# Allegro board 1155001-Timing_board_V3_20241024_1805_pcb.brd (continued)
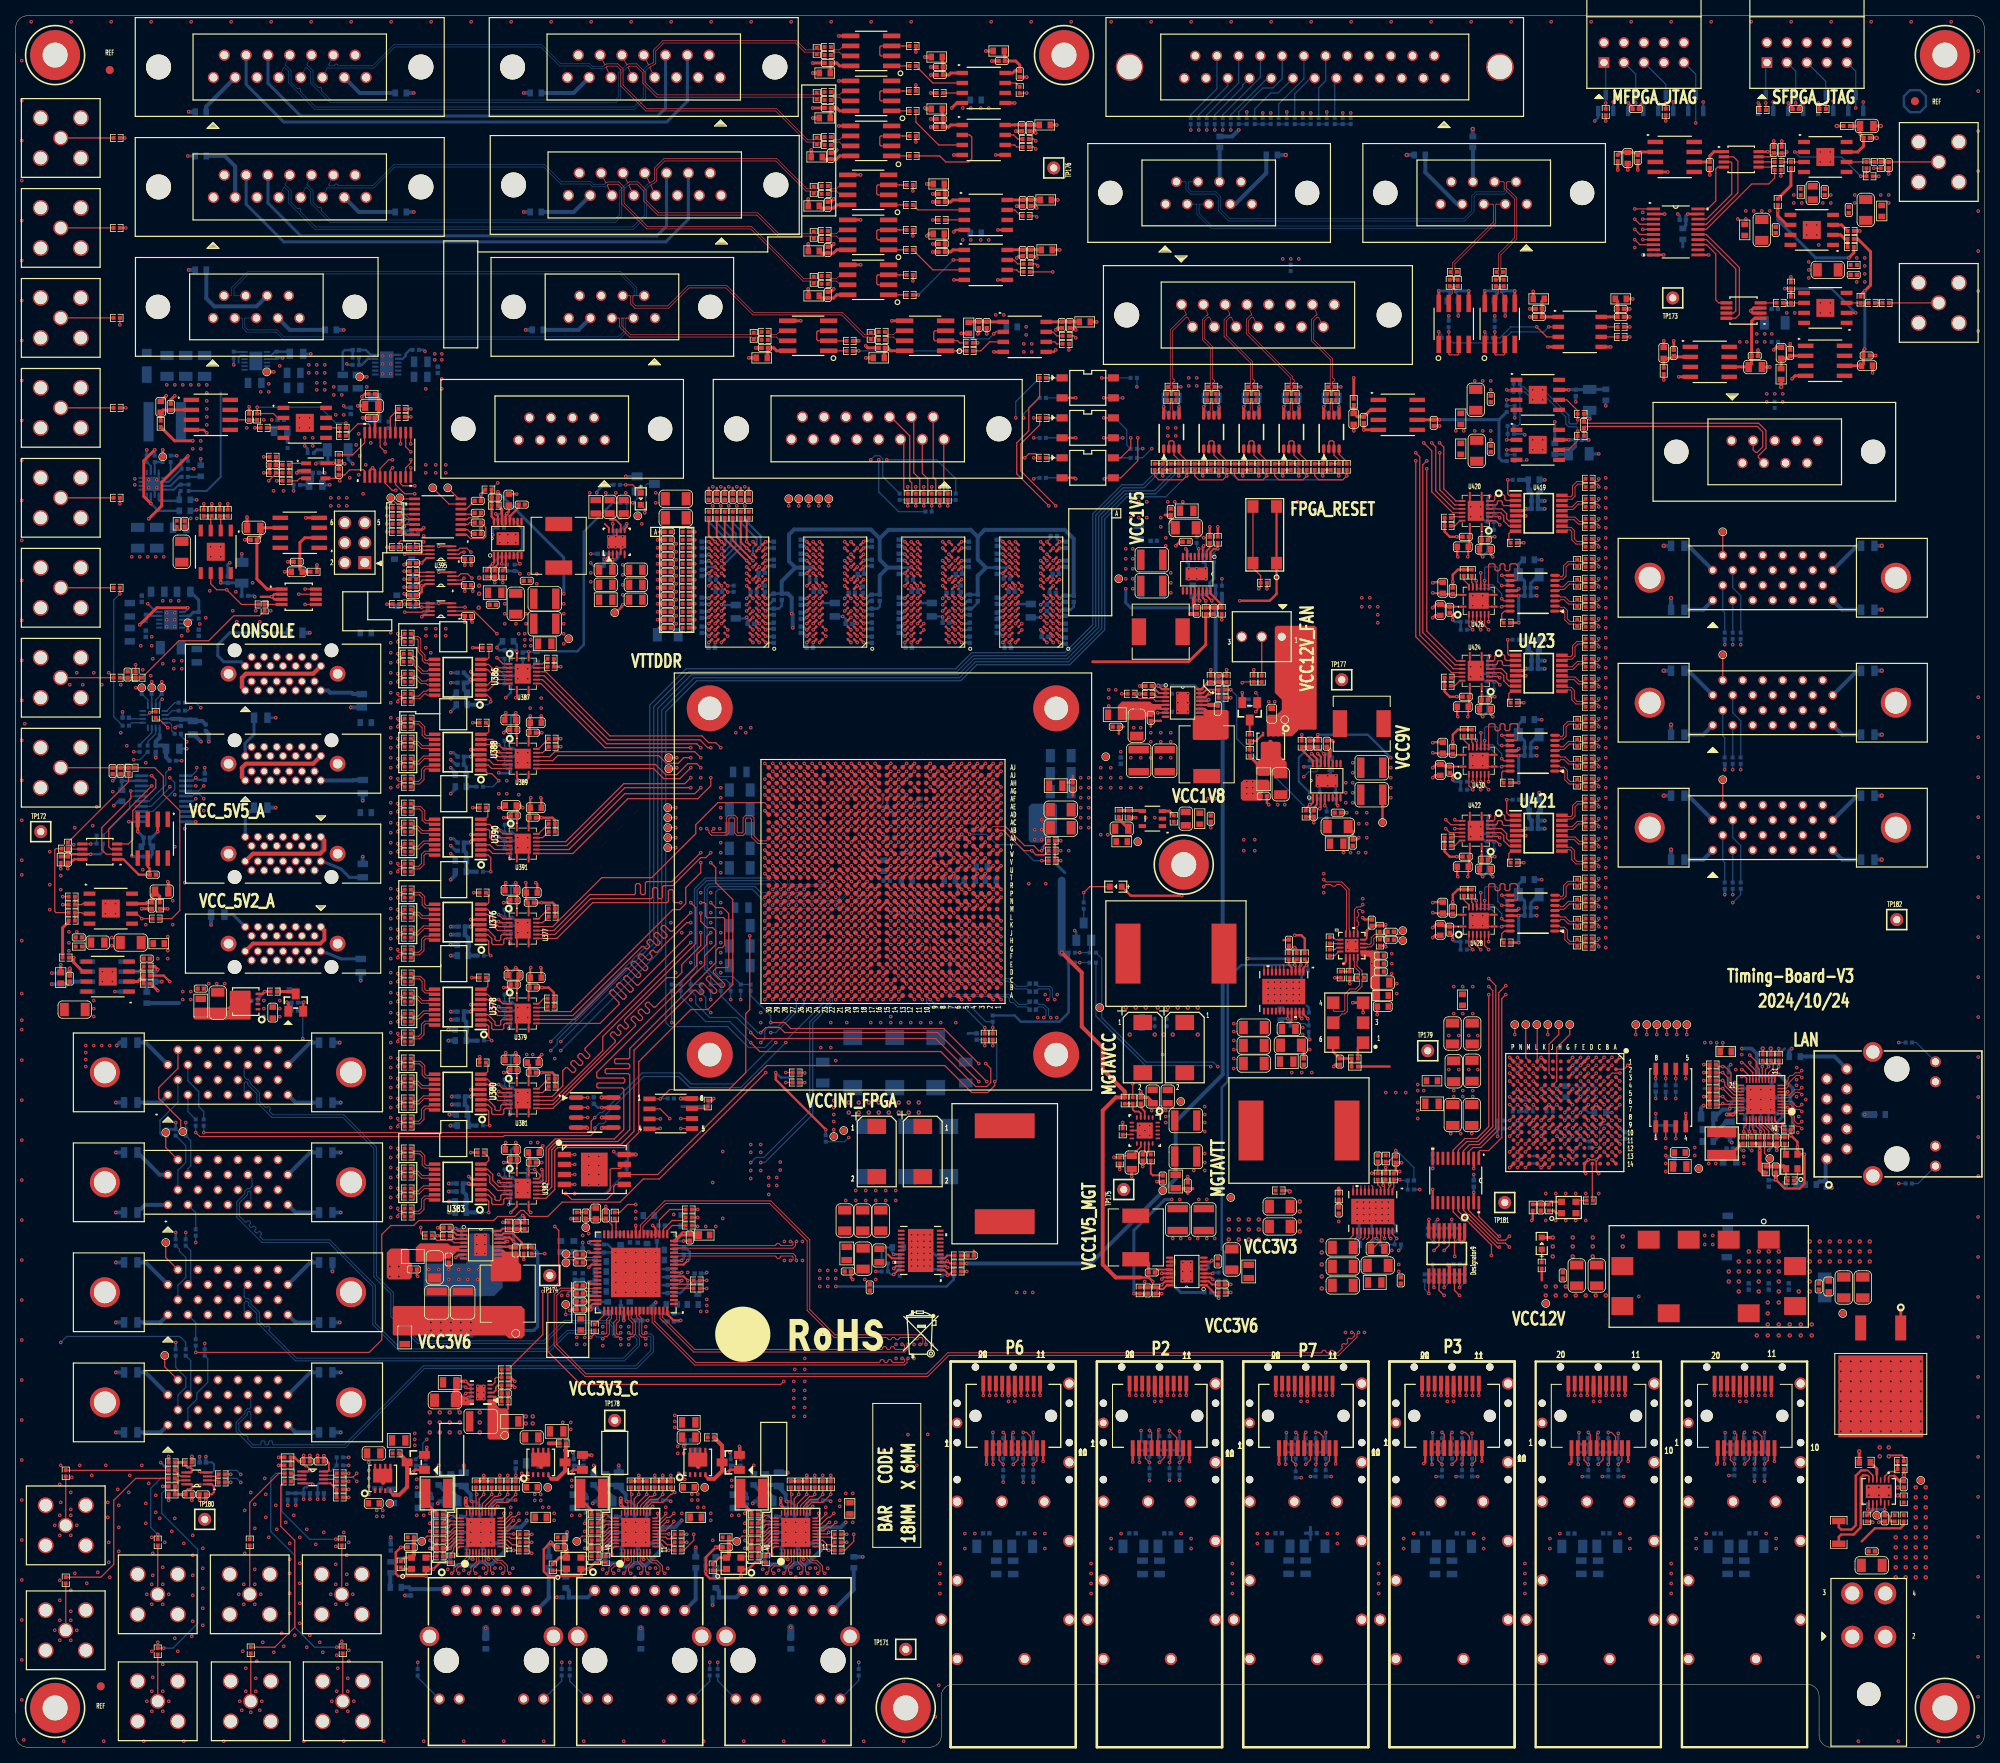
[diagram p0: board, top side]
## Routing (per net, layer and track width the routed paths; a pad name or vN(x,y) marks a point on that pad's centre or on a via; arc(x,y) is an arc through that point) (continued)
BPSR_DATA1_P_H: length 5.3
  TOP w0.157: U389.4 61.34,125.85 60.83,126.36 60.83,127.76 60.54,128.05 U388.7
BPSR_DATA2_N: length 88.9
  TOP w0.122: U247.AC25 v1(101.14,117)
  ART10 w0.099: 100.54,125.5 100.54,125.52 100.47,125.59 100.47,125.88 100.37,125.98 95.25,125.98 91.7,122.43 85.58,122.43 84.47,121.32 73.68,121.32 65.76,113.41 56.77,113.41 53.59,110.24 42.29,110.24 40.64,108.58 36.33,108.58 36.22,108.48 35.93,108.48 35.82,108.58 35.54,108.58 35.43,108.48 35.14,108.48 35.03,108.58 34.74,108.58 34.63,108.48 34.35,108.48 34.24,108.58 33.4,108.58 32,109.98 32,110.95 J80.23
  ART10 w0.102: v1(101.14,117) 101.43,117 101.54,117.1 101.54,120.28 101.41,120.4 100.75,120.4 100.54,120.61 100.54,125.5
BPSR_DATA2_P: length 91.9
  TOP w0.157: U247.AB24 v1(102.14,117)
  ART10 w0.099: J80.10 31.55,112.38 32.35,111.59 32.35,110.12 33.54,108.93 40.5,108.93 42.15,110.58 53.45,110.58 56.63,113.75 65.62,113.75 73.53,121.67 84.33,121.67 85.44,122.78 91.56,122.78 95.11,126.33 100.51,126.33 100.81,126.03 100.81,125.59 100.74,125.52 100.74,125.5
  ART10 w0.102: 100.74,125.5 100.74,120.7 100.84,120.6 101.5,120.6 101.74,120.36 101.74,117.1 101.84,117 v1(102.14,117)
BPSR_DATA3_N: length 92
  TOP w0.122: U247.AD22 v1(104.14,119)
  ART10 w0.099: 101.54,125.5 101.54,125.52 101.47,125.59 101.47,126.37 100.8,127.04 94.91,127.04 91.57,123.7 74.17,123.7 67.56,117.09 53.11,117.09 52.66,116.64 52.66,114.46 52.36,114.16 51.68,114.16 51.38,114.46 51.38,115.34 51.28,115.44 50.89,115.44 50.79,115.34 50.79,114.46 50.49,114.16 49.81,114.16 49.51,114.46 49.51,115.34 49.41,115.44 40.62,115.44 38.5,113.32 33.4,113.32 33.15,113.07 J80.21
  ART10 w0.102: 101.54,125.5 101.54,124.37 103.51,122.4 104.41,122.4 104.54,122.28 104.54,118.7 104.43,118.6 104.24,118.6 104.14,118.7 v1(104.14,119)
BPSR_DATA3_P: length 93.6
  TOP w0.122: U247.AC22 v1(104.14,118)
  ART10 w0.099: J80.8 33.15,113.92 33.4,113.67 38.35,113.67 40.47,115.79 41.55,115.79 41.65,115.88 41.65,116.03 41.75,116.13 41.95,116.13 42.04,116.03 42.04,115.88 42.14,115.79 42.34,115.79 42.44,115.88 42.44,116.03 42.54,116.13 42.74,116.13 42.84,116.03 42.84,115.88 42.94,115.79 43.13,115.79 43.23,115.88 43.23,116.03 43.33,116.13 43.53,116.13 43.63,116.03 43.63,115.88 43.73,115.79 43.93,115.79 44.03,115.88 44.03,116.03 44.13,116.13 44.32,116.13 44.42,116.03 44.42,115.88 44.52,115.79 49.55,115.79 49.85,115.49 49.85,114.6 49.95,114.5 50.34,114.5 50.44,114.6 50.44,115.49 50.74,115.79 51.42,115.79 51.72,115.49 51.72,114.6 51.82,114.5 52.22,114.5 52.32,114.6 52.32,116.79 52.97,117.44 67.42,117.44 74.03,124.04 91.42,124.04 94.76,127.38 100.94,127.38 101.81,126.51 101.81,125.59 101.74,125.52 101.74,125.5
  ART10 w0.102: v1(104.14,118) 104.14,118.3 104.24,118.4 104.52,118.4 104.74,118.62 104.74,122.36 104.5,122.6 103.59,122.6 101.74,124.46 101.74,125.5
CHAN2_N: length 14.4
  TOP w0.089: R3380.2 161.87,172.34 161.87,172.6 R3378.2 161.87,173.11 161.87,174.01 156.3,179.58 156.3,181.44 156.76,181.9 156.92,181.98 156.96,182.1 J127.4
CHAN2_P: length 14.4
  TOP w0.089: R3381.2 162.16,172.34 162.16,172.6 R3378.1 162.16,173.11 162.16,173.32 162.25,173.41 162.32,173.41 162.41,173.5 162.41,173.68 162.32,173.77 162.25,173.77 162.16,173.86 162.16,174.14 156.59,179.71 156.59,181.32 156.93,181.66 157.05,181.71 157.16,181.67 J127.12
CLOCK_N: length 12.7
  TOP w0.089: J127.1 148.65,182.1 148.61,181.98 148.61,181.98 148.45,181.9 146.63,180.08 146.63,173.11 R3370.2 146.63,172.6 146.63,172.34 R3373.2
CLOCK_P: length 12.7
  TOP w0.089: R3372.2 146.92,172.34 146.92,172.6 R3370.1 146.92,173.11 146.92,173.39 147.01,173.48 147.08,173.48 147.17,173.57 147.17,173.75 147.08,173.84 147.01,173.84 146.92,173.92 146.92,179.95 148.62,181.66 148.74,181.71 148.85,181.67 J127.9
DDR3_A_A0: length 114.5
  TOP w0.254: U247.AB9 v1(117.14,117) ; R460.2 90.04,153.55 v1(92.83,150.77) U77.N3 ; U78.N3 v1(105.27,150.77) ; U76.N3 v1(130.17,150.77) ; U75.N3 v1(117.72,150.77)
  ART05 w0.102: v1(117.14,117) 117.18,117 117.58,117.4 120.27,117.4 120.62,117.75 120.62,118.16 120.93,118.47 125.64,118.47 ; 133.35,151.51 131.58,151.51 131.24,151.17 130.57,151.17 v1(130.17,150.77) 129.77,151.17 118.12,151.17 v1(117.72,150.77) 117.32,151.17 105.67,151.17 v1(105.27,150.77) 104.87,151.17 93.23,151.17 v1(92.83,150.77)
  ART05 w0.183: 133.35,151.51 134.14,151.51 137.12,148.52 137.12,138.79 133.96,135.62 130.78,135.62 128.62,133.45 128.62,126.9 128.44,126.72 127.91,126.72 127.72,126.53 127.72,126.17 127.91,125.99 128.84,125.99 129.02,125.8 129.02,125.44 128.84,125.25 127.47,125.25 127.28,125.07 127.28,124.71 127.47,124.52 128.84,124.52 129.02,124.34 129.02,123.97 128.84,123.79 127.47,123.79 127.28,123.61 127.28,123.24 127.47,123.06 128.84,123.06 129.02,122.88 129.02,122.51 128.84,122.33 127.47,122.33 127.28,122.15 127.28,121.78 127.47,121.6 128.84,121.6 129.02,121.41 129.02,121.03 128.37,120.38 128.09,120.38 128,120.47 127.74,120.47 127.49,120.21 127.49,119.95 127.59,119.85 127.59,119.59 126.46,118.47 125.64,118.47
DDR3_A_A1: length 115.1
  TOP w0.254: U75.P7 v1(114.52,151.57) ; U247.AA11 v1(115.14,116) ; U77.P7 v1(89.63,151.57) ; U78.P7 v1(102.07,151.57) ; U76.P7 v1(126.97,151.57)
  ART08 w0.102: v1(89.63,151.57) 90.03,151.97 101.62,151.97 102.02,151.57 v1(102.07,151.57) 102.47,151.97 114.12,151.97 v1(114.52,151.57) 114.92,151.97 126.36,151.97 126.76,151.57 v1(126.97,151.57) 130.12,151.57 130.52,151.17 131.28,151.17 131.47,151.36 131.72,151.36 ; 125.52,118.79 125.13,118.4 115.95,118.4 115.74,118.19 115.74,116.9 115.14,116.3 v1(115.14,116)
  ART08 w0.183: 125.52,118.79 125.82,119.09 125.82,122.41 125.64,122.6 124.86,122.6 124.67,122.78 124.67,123.15 124.86,123.33 125.64,123.33 125.82,123.51 125.82,125.63 125.64,125.81 122.49,125.81 122.31,125.99 122.31,126.36 122.49,126.54 125.4,126.54 125.88,127.02 125.88,135.21 128.27,137.6 128.58,137.6 128.93,137.95 128.93,138.26 129.21,138.54 129.47,138.54 129.97,138.05 130.23,138.05 130.49,138.31 130.49,138.56 129.99,139.06 129.99,139.32 130.26,139.59 131,139.59 131.19,139.41 131.19,138.9 131.37,138.72 131.74,138.72 131.92,138.9 131.92,139.41 132.1,139.59 133.1,139.59 133.57,140.06 133.57,150.51 132.72,151.36 131.72,151.36
  BOTTOM w0.254: v1(89.63,151.57) 90.81,152.75 90.81,153.8 89.03,155.57 R461.2
DDR3_A_A2: length 111.3
  TOP w0.254: U76.P3 v1(130.97,150.77) ; v1(93.63,150.77) U77.P3 91.06,153.34 R462.2 ; U75.P3 v1(118.52,150.77) ; U78.P3 v1(106.07,150.77) ; U247.AC10 v1(116.14,118)
  ART03 w0.102: v1(130.97,150.77) U76.P3 118.92,151.17 v1(118.52,150.77) U75.P3 106.47,151.17 v1(106.07,150.77) U78.P3 94.03,151.17 v1(93.63,150.77)
  ART05 w0.102: 125.58,119.46 119.89,119.46 119.54,119.1 119.54,117.83 119.3,117.6 116.54,117.6 v1(116.14,118) ; v1(130.97,150.77) 131.2,150.77 131.6,151.17 132.73,151.17 133.04,150.86 133.3,150.86
  ART05 w0.183: 125.58,119.46 126.31,119.46 126.8,119.94 126.8,125.89 125.97,126.71 125.97,127.1 126.21,127.34 127.77,127.34 127.96,127.52 127.96,127.89 127.77,128.07 125.8,128.07 125.61,128.25 125.61,128.61 125.8,128.79 127.88,128.79 128.07,128.98 128.07,129.34 127.88,129.52 125.91,129.52 125.73,129.71 125.73,130.07 125.91,130.26 127.94,130.26 128.13,130.45 128.13,133.66 130.58,136.1 133.75,136.1 136.64,138.99 136.64,148.32 134.1,150.86 133.3,150.86
DDR3_A_A3: length 116.5
  TOP w0.254: U76.N2 v1(130.97,149.97) ; U75.N2 v1(118.52,149.97) ; U247.AC9 v1(117.14,118) ; R463.2 v1(86.23,149.35) ; U78.N2 v1(106.07,149.97) ; U77.N2 v1(93.63,149.97)
  ART03 w0.102: v1(93.63,149.97) U77.N2 105.67,150.37 v1(106.07,149.97) U78.N2 118.12,150.37 v1(118.52,149.97) U75.N2 130.57,150.37 v1(130.97,149.97)
  ART05 w0.102: 125.64,120.52 119.02,120.52 118.74,120.24 118.74,118.7 118.44,118.4 117.54,118.4 v1(117.14,118) ; v1(130.97,149.97) 131.37,150.37 133.55,150.37
  ART05 w0.183: 125.64,120.52 126.31,121.19 126.31,125.69 125.13,126.87 125.13,130.82 125.31,131.01 127.45,131.01 127.65,131.21 127.65,131.56 127.46,131.74 125.31,131.74 125.13,131.92 125.13,132.29 125.31,132.47 127.45,132.47 127.65,132.67 127.65,133.02 127.46,133.2 125.31,133.2 125.13,133.39 125.13,133.75 125.31,133.93 127.45,133.93 127.65,134.13 127.65,134.44 127.45,134.63 125.93,134.63 125.74,134.82 125.74,135.07 125.95,135.28 129.07,135.28 130.38,136.59 133.55,136.59 136.15,139.19 136.15,148.12 133.9,150.37 133.55,150.37
  ART10 w0.102: v1(93.63,149.97) 93.23,149.57 92.16,149.57 91.31,148.72 86.87,148.72 v1(86.23,149.35)
DDR3_A_A4: length 111.4
  TOP w0.254: U247.AB12 v1(114.14,117) ; U76.P8 v1(126.17,151.57) ; U77.P8 v1(88.83,151.57) ; R464.2 v1(86.23,153.42) ; U75.P8 v1(113.72,151.57) ; U78.P8 v1(101.27,151.57)
  ART08 w0.102: v1(86.23,153.42) 87.68,151.97 88.43,151.97 v1(88.83,151.57) ; v1(114.14,117) 114.61,117.47 115.29,117.47 115.54,117.72 115.54,118.27 115.87,118.6 121.4,118.6 121.67,118.87 121.67,125.5 ; v1(126.17,151.57) 126.35,151.57 126.75,151.17 129.07,151.17 129.87,150.37 132.77,150.37 133.02,150.11
  ART08 w0.183: 133.02,150.11 133.02,140.2 132.75,139.93 129.91,139.93 125.33,135.36 125.33,130.14 125.15,129.95 122.89,129.95 122.71,129.77 122.71,129.41 122.89,129.22 125.15,129.22 125.33,129.04 125.33,128.67 125.14,128.48 122.53,128.48 122.34,128.3 122.34,127.93 122.53,127.75 125.15,127.75 125.33,127.57 125.33,127.21 125.15,127.03 121.85,127.03 121.67,126.85 121.67,125.5
  ART10 w0.102: v1(126.17,151.57) 125.77,151.17 U75.P8 114.12,151.17 v1(113.72,151.57) 113.32,151.17 U78.P8 v1(101.27,151.57) 100.87,151.97 89.23,151.97 v1(88.83,151.57)
DDR3_A_A5: length 114.5
  TOP w0.254: U78.P2 v1(106.07,151.57) ; v1(114.14,116) U247.AA12 ; U77.P2 v1(93.63,151.57) ; U76.P2 v1(130.97,151.57) ; U75.P2 v1(118.52,151.57)
  ART05 w0.102: 133.22,152.04 133.1,151.92 131.31,151.92 v1(130.97,151.57) 130.57,151.97 118.92,151.97 v1(118.52,151.57) 118.12,151.97 106.47,151.97 v1(106.07,151.57) 105.67,151.97 94.03,151.97 v1(93.63,151.57) ; v1(114.14,116) 114.74,116.6 120.53,116.6 121.53,117.6 125.47,117.6 125.61,117.74 125.64,117.74
  ART05 w0.183: 125.64,117.74 126.43,117.74 129.51,120.83 129.51,122.47 129.69,122.65 130.38,122.65 130.56,122.83 130.56,123.2 130.38,123.38 129.69,123.38 129.51,123.57 129.51,123.93 129.69,124.11 130.45,124.11 130.63,124.3 130.63,124.66 130.45,124.85 129.69,124.85 129.51,125.03 129.51,125.39 129.69,125.58 130.45,125.58 130.63,125.76 130.63,126.13 130.45,126.31 129.69,126.31 129.51,126.49 129.51,126.86 129.69,127.04 130.45,127.04 130.63,127.22 130.63,127.59 130.45,127.77 129.69,127.77 129.51,127.95 129.51,128.32 129.69,128.5 130.13,128.5 130.31,128.69 130.31,129.05 130.13,129.23 129.4,129.23 129.11,129.53 129.11,133.25 130.99,135.13 134.16,135.13 137.61,138.58 137.61,148.73 134.3,152.04 133.22,152.04
  BOTTOM w0.254: v1(93.63,151.57) 93.63,152.43 94.1,152.91 94.1,153.55 92.08,155.57 R465.2
DDR3_A_A6: length 109.1
  TOP w0.254: U77.R8 v1(88.83,152.37) ; R466.2 v1(86.23,154.43) ; U76.R8 v1(126.17,152.37) ; U78.R8 v1(101.27,152.37) ; U247.AB10 v1(116.14,117) ; U75.R8 v1(113.72,152.37)
  ART08 w0.102: v1(126.17,152.37) 126.35,152.37 126.75,151.97 127.28,151.97 ; v1(86.23,154.43) 86.23,154.18 87.64,152.77 88.43,152.77 v1(88.83,152.37) ; v1(116.14,117) 116.14,117.28 116.46,117.6 125.37,117.6 125.45,117.68 125.48,117.68
  ART08 w0.183: 125.48,117.68 126.37,118.57 126.37,133.44 126.55,133.62 127.47,133.62 127.66,133.81 127.66,134.17 127.47,134.36 126.55,134.36 126.37,134.54 126.37,134.92 127.19,135.74 127.45,135.74 127.75,135.43 128.01,135.43 128.27,135.69 128.27,135.95 127.96,136.26 127.96,136.52 128.22,136.78 128.48,136.78 129.4,135.85 129.66,135.85 129.92,136.11 129.92,136.37 129.41,136.88 129.41,137.14 129.67,137.4 129.93,137.4 130.44,136.89 130.7,136.89 130.96,137.15 130.96,137.41 130.75,137.62 130.75,137.88 131,138.13 131.26,138.13 131.47,137.92 131.73,137.92 132.91,139.11 133.31,139.11 134.06,139.86 134.06,150.81 132.94,151.93 131.38,151.93 131.3,152.01 130.67,152.01 130.59,151.93 129.42,151.93 129.38,151.97 127.28,151.97
  ART10 w0.102: v1(88.83,152.37) 89.23,152.77 100.87,152.77 v1(101.27,152.37) U78.R8 113.32,151.97 v1(113.72,152.37) U75.R8 125.77,151.97 v1(126.17,152.37)
DDR3_A_A7: length 109.2
  TOP w0.254: U76.R2 v1(131.77,152.37) ; U77.R2 v1(94.43,152.37) ; U78.R2 v1(106.87,152.37) ; U247.AA8 v1(118.14,116) ; U75.R2 v1(119.32,152.37)
  ART03 w0.102: v1(131.77,152.37) U76.R2 119.72,151.97 v1(119.32,152.37) U75.R2 107.27,151.97 v1(106.87,152.37) U78.R2 94.83,151.97 v1(94.43,152.37)
  ART05 w0.102: v1(118.14,116) 118.54,116.4 120.61,116.4 121.61,117.4 125.47,117.4 125.61,117.26 125.64,117.26 ; v1(131.77,152.37) 132.17,152.77 133.01,152.77
  ART05 w0.183: 125.64,117.26 126.63,117.26 131.17,121.79 131.17,122.8 131.35,122.98 131.48,122.98 131.66,123.17 131.66,123.53 131.48,123.71 131.35,123.71 131.17,123.9 131.17,124.26 131.35,124.45 131.48,124.45 131.66,124.63 131.66,124.99 131.48,125.18 131.35,125.18 131.17,125.36 131.17,125.86 131.35,126.05 133.09,126.05 133.27,126.23 133.27,126.59 133.09,126.78 131.35,126.78 131.17,126.96 131.17,127.33 131.35,127.51 132.75,127.51 132.94,127.69 132.94,128.06 132.75,128.24 131.35,128.24 131.17,128.42 131.17,128.79 131.35,128.97 134.23,128.97 135.46,130.21 135.46,135.74 138.1,138.38 138.1,148.93 134.26,152.77 133.01,152.77
  BOTTOM w0.254: R467.2 93.09,155.45 94.61,153.92 94.61,152.56 v1(94.43,152.37)
DDR3_A_A8: length 112
  TOP w0.254: U78.T8 v1(101.27,153.17) ; U77.T8 v1(88.83,153.17) 88.01,153.99 R468.2 ; U76.T8 v1(126.17,153.17) ; U75.T8 v1(113.72,153.17) ; U247.Y11 v1(115.14,115)
  ART08 w0.102: 127.53,152.77 126.76,152.77 126.36,153.17 v1(126.17,153.17) ; v1(115.14,115) 115.41,115 115.54,115.13 115.54,116.29 115.85,116.6 124.6,116.6 124.71,116.71 125.89,116.71 126.11,116.93
  ART08 w0.183: 127.53,152.77 128.49,152.77 129.33,153.61 132.92,153.61 135.03,151.5 135.03,139.45 133.71,138.13 133.32,138.13 128.59,133.4 128.59,128.03 128.41,127.85 127.53,127.85 127.34,127.67 127.34,127.3 127.53,127.12 128.41,127.12 128.59,126.94 128.59,126.57 128.41,126.39 127.53,126.39 127.34,126.21 127.34,125.84 127.53,125.66 128.41,125.66 128.59,125.47 128.59,125.11 128.41,124.93 127.53,124.93 127.34,124.74 127.34,124.38 127.53,124.19 128.13,124.19 128.31,124.01 128.31,123.65 128.13,123.46 127.53,123.46 127.34,123.28 127.34,118.16 126.11,116.93
  ART10 w0.102: v1(88.83,153.17) 89.23,153.57 100.87,153.57 v1(101.27,153.17) U78.T8 113.32,152.77 v1(113.72,153.17) U75.T8 125.77,152.77 v1(126.17,153.17)
DDR3_A_A9: length 114.6
  TOP w0.254: U78.R3 v1(105.27,152.37) ; U77.R3 v1(92.83,152.37) 92.08,153.12 R469.2 ; U247.AA10 v1(116.14,116) ; U76.R3 v1(130.17,152.37) ; U75.R3 v1(117.72,152.37)
  ART05 w0.102: v1(130.17,152.37) 129.77,152.77 118.12,152.77 v1(117.72,152.37) 117.32,152.77 105.67,152.77 v1(105.27,152.37) 104.87,152.77 93.23,152.77 v1(92.83,152.37) ; v1(116.14,116) 116.41,116 116.81,115.6 121.3,115.6 121.54,115.83 121.54,116.37 121.77,116.6 125.47,116.6 125.61,116.74 125.64,116.74
  ART05 w0.183: 125.64,116.74 126.81,116.74 133.78,123.72 133.78,124.19 133.6,124.37 132.48,124.37 132.3,124.55 132.3,124.92 132.48,125.1 133.6,125.1 133.78,125.28 133.78,126.6 133.96,126.78 135.36,126.78 135.54,126.96 135.54,127.32 135.35,127.51 133.61,127.51 133.42,127.69 133.42,128.06 133.61,128.24 135.36,128.24 135.95,128.83 135.95,134.41 136.5,134.96 136.5,135.22 136.2,135.53 136.2,135.79 136.45,136.05 136.71,136.05 137.02,135.74 137.28,135.74 137.54,136 137.54,136.26 137.23,136.56 137.23,136.82 137.49,137.08 137.75,137.08 138.06,136.77 138.31,136.77 138.59,137.05 138.59,149.13 134.1,153.62 132.04,153.62 130.79,152.37 v1(130.17,152.37)
DDR3_A_A10: length 107.2
  TOP w0.254: U78.L7 v1(102.07,149.17) ; R470.2 v1(86.23,148.34) ; U75.L7 v1(114.52,149.17) ; U76.L7 v1(126.97,149.17) ; U77.L7 v1(89.63,149.17) ; U247.AE9 v1(117.14,120)
  ART08 w0.102: v1(86.23,148.34) 87.47,149.57 89.06,149.57 89.46,149.17 v1(89.63,149.17) 92.02,149.17 92.42,149.57 101.67,149.57 v1(102.07,149.17) 102.47,149.57 114.12,149.57 v1(114.52,149.17) 114.92,149.57 126.57,149.57 v1(126.97,149.17)
  ART08 w0.183: v1(117.14,120) 115.37,121.76 115.37,128.49 115.56,128.67 115.79,128.67 115.97,128.85 115.97,129.22 115.79,129.4 115.56,129.4 115.37,129.58 115.37,130.33 115.56,130.51 116.87,130.51 117.05,130.69 117.05,131.06 116.87,131.24 114.23,131.24 114.05,131.43 114.05,131.79 114.23,131.97 116.87,131.97 117.05,132.16 117.05,132.52 116.87,132.71 114.91,132.71 114.73,132.89 114.73,133.25 114.91,133.44 116.87,133.44 117.05,133.62 117.05,133.99 116.87,134.17 115.56,134.17 115.37,134.35 115.37,134.72 115.56,134.9 116.87,134.9 117.05,135.08 117.05,135.45 116.87,135.63 115.56,135.63 115.37,135.81 115.37,136.18 115.56,136.36 116.87,136.36 117.05,136.55 117.05,136.91 116.87,137.09 115.56,137.09 115.37,137.28 115.37,138.49 115.88,138.99 126.21,138.99 128.22,141 128.22,147.92 v1(126.97,149.17)
DDR3_A_A11: length 107.5
  TOP w0.254: U76.R7 v1(126.97,152.37) ; U247.AB8 v1(118.14,117) ; U78.R7 v1(102.07,152.37) ; U77.R7 v1(89.63,152.37) ; U75.R7 v1(114.52,152.37)
  ART08 w0.102: v1(118.14,117) 118.54,117.4 125.3,117.4 125.51,117.19 125.64,117.19 ; 133.3,152.43 132.96,152.77 129.81,152.77 129.41,152.37 v1(126.97,152.37) 126.78,152.37 126.38,152.77 114.92,152.77 v1(114.52,152.37) 114.12,152.77 102.47,152.77 v1(102.07,152.37) 101.67,152.77 90.03,152.77 v1(89.63,152.37)
  ART08 w0.183: 125.64,117.19 125.68,117.19 126.86,118.37 126.86,128.42 127.04,128.6 127.47,128.6 127.65,128.78 127.65,129.15 127.47,129.33 127.04,129.33 126.86,129.51 126.86,129.88 127.04,130.06 127.92,130.06 128.1,130.24 128.1,130.61 127.92,130.79 127.04,130.79 126.86,130.98 126.86,131.34 127.04,131.52 127.92,131.52 128.1,131.71 128.1,132.07 127.92,132.26 127.04,132.26 126.86,132.44 126.86,132.8 127.04,132.99 127.92,132.99 128.1,133.17 128.1,133.61 128.38,133.88 128.38,134.14 128.01,134.5 128.01,134.76 128.27,135.02 128.53,135.02 128.9,134.66 129.15,134.66 133.12,138.62 133.51,138.62 134.54,139.65 134.54,151.18 133.3,152.43
  BOTTOM w0.254: v1(89.63,152.37) 90.17,152.91 90.17,153.54 88.01,155.7 R471.2
DDR3_A_A12: length 111.7
  TOP w0.254: U78.N7 v1(102.07,150.77) ; U76.N7 v1(126.97,150.77) ; U77.N7 v1(89.63,150.77) ; U247.AD8 v1(118.14,119) ; U75.N7 v1(114.52,150.77)
  ART08 w0.102: v1(126.97,150.77) 126.75,150.77 126.35,151.17 114.92,151.17 v1(114.52,150.77) 114.12,151.17 102.47,151.17 v1(102.07,150.77) 101.67,151.17 90.03,151.17 v1(89.63,150.77) ; 120.65,125.48 120.65,119.63 120.5,119.48 118.62,119.48 v1(118.14,119)
  ART08 w0.117: 120.65,125.5 120.65,125.48
  ART08 w0.183: v1(126.97,150.77) 128.55,150.77 129.71,149.62 129.71,140.42 124.46,135.17 121.9,135.17 121.72,134.99 121.72,134.62 121.9,134.44 124.66,134.44 124.85,134.26 124.85,133.89 124.66,133.71 120.83,133.71 120.65,133.53 120.65,133.16 120.83,132.98 124.66,132.98 124.85,132.79 124.85,132.43 124.66,132.25 120.83,132.25 120.65,132.06 120.65,131.7 120.83,131.51 124.66,131.51 124.85,131.33 124.85,130.97 124.66,130.78 120.83,130.78 120.65,130.6 120.65,125.5
  BOTTOM w0.254: R472.2 90.04,155.57 91.44,154.18 91.44,152.58 v1(89.63,150.77)
DDR3_A_A13: length 111.2
  TOP w0.254: U77.T3 v1(92.83,153.17) 92.83,155.93 R473.2 ; U78.T3 v1(105.27,153.17) ; U76.T3 v1(130.17,153.17) ; U75.T3 v1(117.72,153.17) ; U247.AA13 v1(113.14,116)
  ART05 w0.102: v1(130.17,153.17) 129.77,153.57 118.12,153.57 v1(117.72,153.17) 117.32,153.57 105.67,153.57 v1(105.27,153.17) 104.87,153.57 93.23,153.57 v1(92.83,153.17) ; v1(113.14,116) 113.14,115.77 113.54,115.37 113.54,114.84 113.79,114.58 126.28,114.58 126.44,114.74
  ART05 w0.183: v1(130.17,153.17) 131.59,154.59 134.5,154.59 139.56,149.53 139.56,136.64 136.93,134.01 136.93,126.23 134.76,124.06 134.76,123.06 126.44,114.74
DDR3_A_A14: length 111.9
  TOP w0.254: U78.T7 v1(102.07,153.17) ; R474.2 89.03,153.77 v1(89.63,153.17) U77.T7 ; U247.Y10 v1(116.14,115) ; U76.T7 v1(126.97,153.17) ; U75.T7 v1(114.52,153.17)
  ART08 w0.102: v1(126.97,153.17) 126.89,153.17 126.49,153.57 114.92,153.57 v1(114.52,153.17) 114.12,153.57 102.47,153.57 v1(102.07,153.17) 101.67,153.57 90.03,153.57 v1(89.63,153.17) ; v1(116.14,115) 115.74,115.4 115.74,116.2 115.93,116.4 125.3,116.4 125.51,116.19 125.64,116.19
  ART08 w0.183: 125.64,116.19 126.77,116.19 129.08,118.5 129.08,118.94 128.9,119.12 128.31,119.12 128.12,119.3 128.12,119.67 128.31,119.85 128.9,119.85 129.08,120.03 129.08,120.4 128.9,120.58 128.01,120.58 127.83,120.77 127.83,121.13 128.01,121.31 128.9,121.31 129.08,121.5 129.08,121.86 128.9,122.05 128.01,122.05 127.83,122.23 127.83,122.6 128.01,122.78 128.9,122.78 129.08,122.96 129.08,133.02 133.71,137.64 133.91,137.64 135.52,139.25 135.52,151.73 133.2,154.05 129.11,154.05 128.24,153.17 v1(126.97,153.17)
DDR3_A_A15: length 109.9
  TOP w0.254: U75.M7 v1(114.52,149.97) ; U77.M7 v1(89.63,149.97) ; U76.M7 v1(126.97,149.97) ; U247.AE8 v1(118.14,120) ; U78.M7 v1(102.07,149.97)
  ART08 w0.102: v1(126.97,149.97) 126.76,149.97 126.36,150.37 114.92,150.37 v1(114.52,149.97) 114.12,150.37 102.47,150.37 v1(102.07,149.97) 101.67,150.37 90.03,150.37 v1(89.63,149.97) ; 117.54,125.5 117.54,120.6 v1(118.14,120)
  ART08 w0.183: 117.54,125.5 117.54,135.21 117.9,135.58 120.92,135.58 121.11,135.76 121.11,136.12 120.92,136.31 117.72,136.31 117.54,136.49 117.54,136.83 117.72,137.02 124.25,137.02 124.43,137.2 124.43,137.57 124.25,137.75 117.88,137.75 117.68,137.95 117.68,138.32 117.86,138.5 126.41,138.5 128.75,140.84 128.75,149.08 127.86,149.97 v1(126.97,149.97)
  BOTTOM w0.254: v1(89.63,149.97) 92.08,152.42 92.08,154.56 91.06,155.57 R475.2
DDR3_A_BA0: length 114.4
  TOP w0.254: U247.AC12 v1(114.14,118) ; U78.M2 v1(106.87,149.97) ; U75.M2 v1(119.32,149.97) ; U76.M2 v1(131.77,149.97) ; U77.M2 v1(94.43,149.97) ; R476.2 v1(86.23,150.37)
  ART03 w0.102: v1(131.77,149.97) U76.M2 119.72,149.57 v1(119.32,149.97) U75.M2 107.27,149.57 v1(106.87,149.97) U78.M2 94.83,149.57 v1(94.43,149.97)
  ART05 w0.102: v1(131.77,149.97) 132.17,149.57 132.73,149.57 132.92,149.76 133.82,149.76 134,149.58 ; 125.64,121.54 118.97,121.54 118.54,121.1 118.54,118.78 118.35,118.6 114.56,118.6 114.14,118.18 v1(114.14,118)
  ART05 w0.183: 125.64,121.54 125.82,121.72 125.82,125.36 125.64,125.54 122.76,125.54 122.58,125.73 122.58,126.09 122.76,126.28 124.45,126.28 124.64,126.46 124.64,126.98 124.45,127.17 122.56,127.17 122.38,127.35 122.38,127.72 122.56,127.9 124.45,127.9 124.64,128.08 124.64,128.5 124.27,128.86 124.27,129.44 124.64,129.81 124.64,134.66 126.02,136.04 129.13,136.04 130.18,137.08 133.35,137.08 135.66,139.39 135.66,147.92 134,149.58
  ART10 w0.102: v1(86.23,150.37) 87.03,149.57 91.06,149.57 91.86,150.37 94.03,150.37 v1(94.43,149.97)
DDR3_A_BA1: length 107.2
  TOP w0.254: U78.N8 v1(101.27,150.77) ; U77.N8 v1(88.83,150.77) ; R477.2 v1(86.23,152.4) ; U247.AC11 v1(115.14,118) ; U76.N8 v1(126.17,150.77) ; U75.N8 v1(113.72,150.77)
  ART08 w0.102: v1(88.83,150.77) 88.43,151.17 87.46,151.17 v1(86.23,152.4) ; 127.2,150.37 126.74,150.37 126.34,150.77 v1(126.17,150.77) ; v1(115.14,118) 115.14,118.31 115.6,118.77 115.6,119.05 116.15,119.6 118.41,119.6 118.67,119.86 118.67,125.45 118.72,125.5
  ART08 w0.183: 127.2,150.37 128.22,150.37 129.24,149.35 129.24,140.64 124.39,135.79 121.83,135.79 121.04,135 118.42,135 118.24,134.81 118.24,134.28 118.42,134.1 119.93,134.1 120.12,133.91 120.12,133.55 119.93,133.36 118.34,133.36 118.16,133.18 118.16,132.82 118.34,132.63 119.93,132.63 120.12,132.45 120.12,132.08 119.93,131.9 118.34,131.9 118.16,131.72 118.16,131.35 118.34,131.17 119.93,131.17 120.12,130.99 120.12,130.62 119.93,130.44 118.34,130.44 118.16,130.26 118.16,129.89 118.34,129.71 119.93,129.71 120.12,129.52 120.12,129.16 119.93,128.97 118.34,128.97 118.16,128.79 118.16,128.32 118.34,128.14 119.82,128.14 120.01,127.96 120.01,127.61 119.82,127.43 119.04,127.43 118.72,127.1 118.72,125.5
  ART10 w0.102: v1(88.83,150.77) 89.23,151.17 100.87,151.17 v1(101.27,150.77) U78.N8 113.32,150.37 v1(113.72,150.77) U75.N8 125.77,150.37 v1(126.17,150.77)
DDR3_A_BA2: length 113.9
  TOP w0.254: U75.M3 v1(117.72,149.97) ; R478.2 v1(86.23,151.38) ; U247.AD9 v1(117.14,119) ; U76.M3 v1(130.17,149.97) ; U78.M3 v1(105.27,149.97) ; U77.M3 v1(92.83,149.97)
  ART05 w0.102: 133.89,149 133.53,149.35 132.94,149.35 132.9,149.31 130.82,149.31 v1(130.17,149.97) 129.77,150.37 118.12,150.37 v1(117.72,149.97) 117.32,150.37 105.67,150.37 v1(105.27,149.97) 104.87,150.37 93.23,150.37 v1(92.83,149.97)
  ART05 w0.183: v1(117.14,119) 117.68,119.54 117.68,122.28 117.93,122.53 119.48,122.53 119.66,122.71 119.66,123.32 119.48,123.5 117.8,123.5 117.62,123.68 117.62,125.2 117.92,125.5 119.58,125.5 119.98,125.91 119.98,126.92 120.17,127.11 121.71,127.11 121.89,127.29 121.89,127.66 121.71,127.84 120.17,127.84 119.98,128.02 119.98,128.39 120.17,128.57 122.88,128.57 123.06,128.75 123.06,129.12 122.88,129.3 120.3,129.3 120.12,129.48 120.12,129.85 120.3,130.03 123.83,130.03 124.01,130.22 124.01,130.67 123.83,130.85 122.62,130.85 122.44,131.03 122.44,131.4 122.62,131.58 123.97,131.58 124.15,131.77 124.15,134.86 125.82,136.53 128.93,136.53 129.97,137.57 133.15,137.57 135.17,139.59 135.17,147.71 133.89,149
  ART08 w0.102: v1(92.83,149.97) 91.86,149.97 91.46,149.57 89.46,149.57 89.23,149.8 89.23,150.13 88.99,150.37 87.25,150.37 v1(86.23,151.38)
